# Altium PCB SW1106 100W 单C.PcbDoc (part 2 of 2)
Units mm, origin at the board's own origin, x right, y up, seen from the top; angles counter-clockwise.
Board outline 55.13 x 55.13 mm, 4 copper layers (Top Layer, Mid-Layer 1, Mid-Layer 2, Bottom Layer); 114 components, 71 nets, 330 pads, 226 vias.
Unrouted connection lines stored in the file: 11.
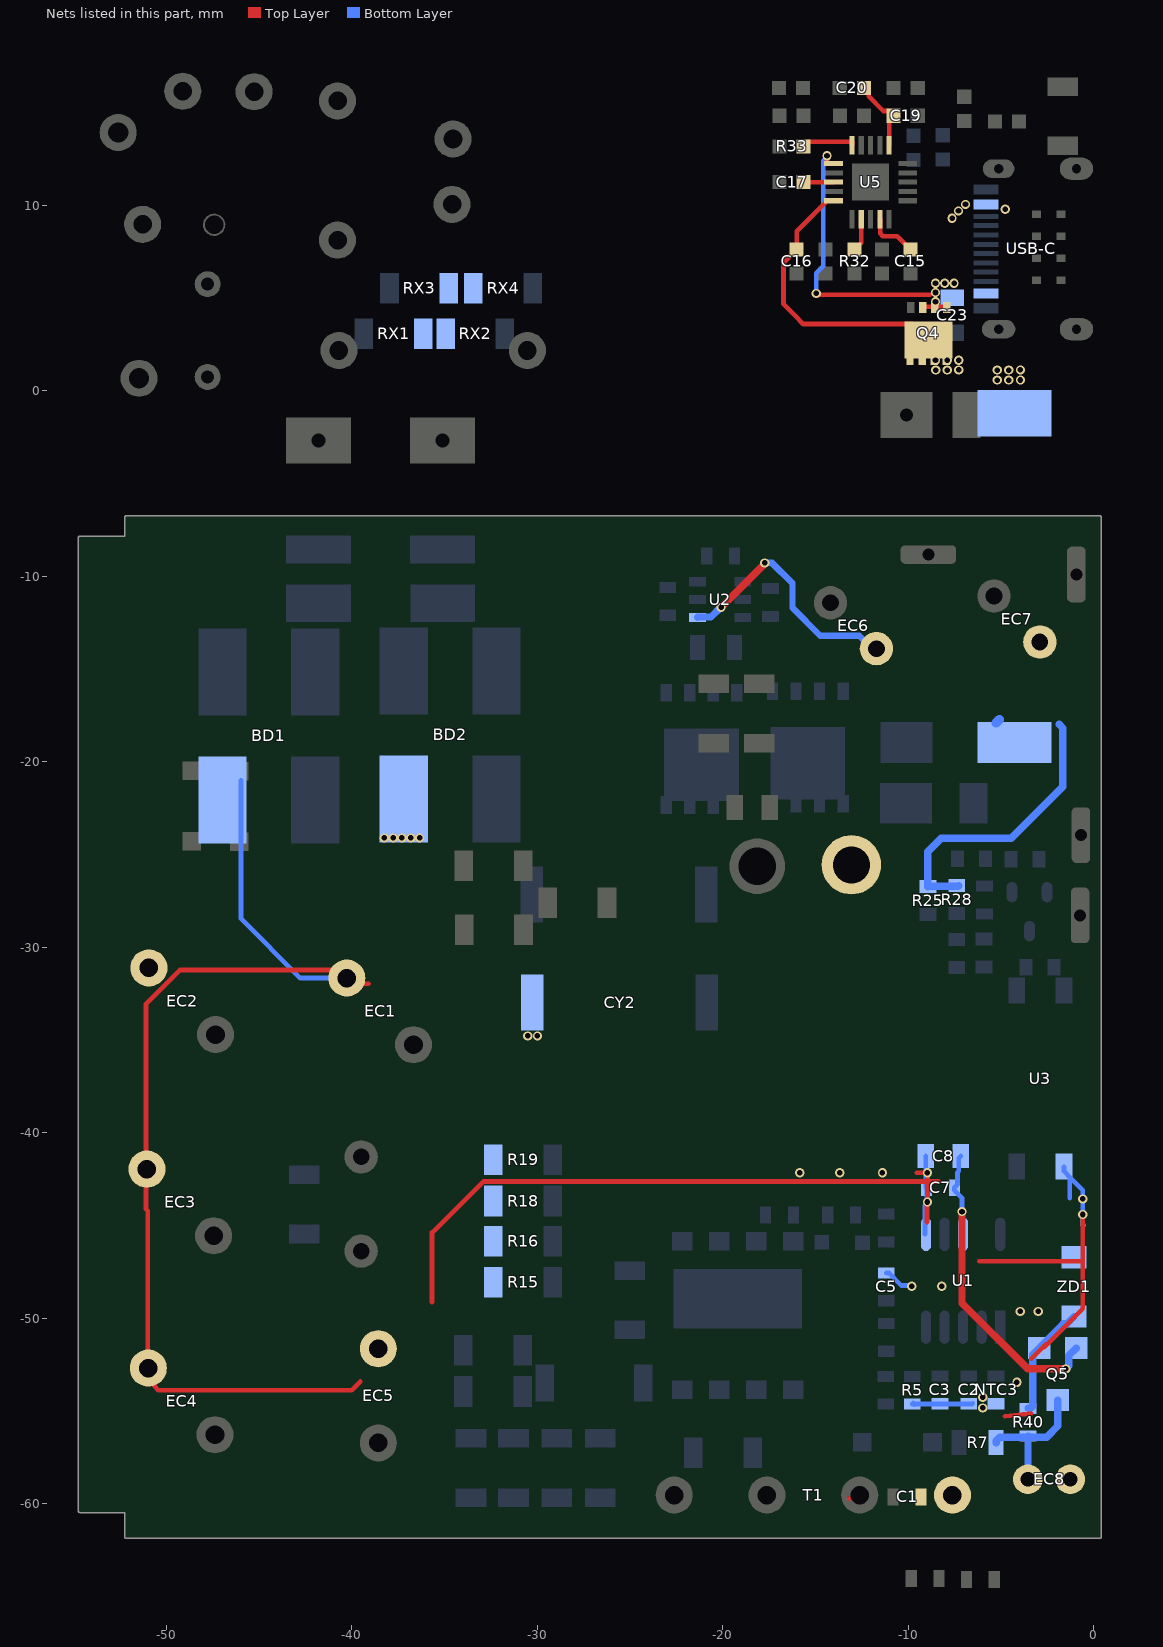
[diagram p2: the nets of this part, all layers, seen from the top]

## Via types
v1: diameter 0.5, hole 0.3, Top Layer to Bottom Layer, tented both sides, 226 vias

## Nets (pads, with @x,y where several pads share a name; then routed paths per layer and width w, separated by ;. In a path a pad name is that pad's centre, name@x,y a point inside that pad or via, vN(x,y) a via of type N, cw(c..) or ccw(c..) an arc to the next point about the centre after c; other vN are vias at no path point) (continued)
PGND: BD1.4 BD2.4 C1.1 C2.2 C3.2 C5.2 C7.1 C8.1 CY2.1 EC1.2 EC2.2 EC3.2 EC4.2 EC5.2 EC8.2 NTC3.2 R5.2 R15.1 R16.1 R18.1 R19.1 T1.5 U1.6GND U3.3 ZD1.1 | length 125.9
  Top Layer w0.254: EC1.2@-40.273,-31.958 -39.104,-31.958 ; EC1.2@-40.273,-31.654 -40.746,-31.654 -41.174,-31.225 -49.275,-31.225 -51.096,-33.046 -51.096,-41.954 -51.096,-44.091 -51.108,-44.104 -51.006,-44.206 -51.006,-52.679 -50.639,-53.046 -50.639,-53.663 -50.427,-53.875 -40.011,-53.875 -39.544,-53.408 ; -35.677,-49.125 -35.677,-45.375 -32.927,-42.625 -8.977,-42.625 ; -13.202,-59.725 -13.177,-59.7 ; -9.552,-42.15 v1(-8.977,-42.15) ; -9.002,-44.8 -9.002,-43.75 v1(-8.977,-43.725) -8.977,-42.625 ; v1@-9.002,-42.225 -8.977,-42.25 -8.977,-42.625 ; -8.377,-42.625 -8.977,-42.625 ; -6.177,-46.925 -0.602,-46.925 ; -4.8,-55.275 -3.377,-55.125 ; -3.377,-52.175 -2.715,-51.512 ; -2.677,-51.55 -0.602,-49.475 -0.602,-46.925 ; -2.602,-51.4 -2.577,-51.4 ; v1(-0.602,-44.4) -0.602,-46.925
  Bottom Layer w0.254: BD1.4@-45.977,-21.001 -45.977,-28.45 -42.773,-31.654 EC1.2@-40.273,-31.654 ; EC1.2@-39.841,-31.221 -39.83,-31.232 EC1.2@-39.83,-31.958 ; C5.2@-11.202,-47.55 -11.052,-47.55 -10.374,-48.228 -9.874,-48.228 v1(-9.827,-48.275) ; R5.2@-9.802,-54.625 R5.2@-9.79,-54.612 ; R5.2@-9.667,-54.637 R5.2@-9.691,-54.612 ; U1.6GND@-9.112,-45.45 -9.112,-43.927 -8.977,-43.792 v1(-8.977,-43.725) -9.002,-43.7 -9.002,-43.018 -9.07,-42.95 -9.07,-41.255 C8.1@-9.074,-41.25 ; C2.2@-6.527,-54.575 -6.565,-54.612 -6.752,-54.612 -8.302,-54.612 R5.2@-9.691,-54.612 ; U3.3@-1.612,-41.825 -1.612,-42.075 U3.3@-1.302,-42.385 ; -1.302,-43.519 U3.3@-1.302,-42.385 ; -0.552,-44.975 -0.602,-44.975 v1(-0.602,-44.4) v1(-0.602,-43.56) -0.602,-43.085 U3.3@-1.302,-42.385 ; R5.2@-9.79,-54.612 -9.74,-54.563 R5.2@-9.691,-54.612 ; R5.2@-9.79,-54.612 R5.2@-9.691,-54.612
  other v1: -6,-54.825 -6,-54.25 -4.15,-53.45 -3.975,-49.625 -3,-49.625 -8.202,-48.275 -15.852,-42.15 -13.702,-42.15 -11.402,-42.15 -30.525,-34.775 -30,-34.775 -38.252,-24.1 -37.777,-24.1 -37.302,-24.1 -36.827,-24.1 -36.352,-24.1
PRSET: R32.2 U5.2 | length 1.8
  Top Layer w0.254: R32.2@-12.9,7.623 -12.55,7.973 -12.55,9.24 U5.2@-12.54,9.25
PSET: R33.1 U5.15 | length 2.9
  Top Layer w0.254: R33.1@-15.65,13.175 -15.4,13.425 -13.053,13.425 -13.04,13.412 U5.15@-13.04,13.25
Q5-B: Q5.1 R40.1 ZD1.2 | length 6.2
  Bottom Layer w0.4: R40.1@-3.55,-54.85 -3.4,-54.85 -3.3,-54.75 -3.3,-51.95 -2.55,-51.2 -1.65,-50.3 -1.475,-50.3 ZD1.2@-1.075,-49.9
RX: RX1.1 RX2.2 RX3.1 RX4.2
VBUS: C23.2 Q4.1 Q4.2 Q4.3 U5.16 USB-C.B4/A9 USB-C.B9/A4 | length 16.6
  Top Layer w0.254: v1(-14.976,5.25) -14.929,5.203 -14.755,5.203 -14.727,5.175 -8.834,5.175 ; v1@-14.44,12.625 -14.39,12.575 -14.39,12.263 -14.377,12.25 U5.16@-14.04,12.25 ; Q4.3@-9.232,4.5 -9.207,4.525 Q4.1@-7.932,4.525 ; Q4.2@-8.582,4.525 Q4.1@-7.932,4.525 ; Q4.1@-7.932,4.5 Q4.1@-7.932,4.525
  Bottom Layer w0.254: v1(-14.976,5.25) -14.976,6.339 -14.59,6.725 -14.59,12.408 -14.39,12.608 v1(-14.39,12.675)
  other v1: -8.54,4.8 -8.54,5.3 -8.54,5.8 -8.04,5.8 -7.54,5.8 -7.65,9.3 -7.3,9.7 -4.777,9.79 -6.925,10.05
VDD: C15.2 U5.4 | length 2.8
  Top Layer w0.254: U5.4@-11.54,9.25 -11.527,9.237 -11.527,8.482 -11.378,8.333 -10.598,8.333 C15.2@-9.89,7.625
VDD1V5: C17.2 U5.18 | length 1.6
  Top Layer w0.254: C17.2@-15.615,11.25 U5.18@-14.04,11.25
VDDH: EC8.1 Q5.2 R7.1 R40.2 | length 7.5
  Bottom Layer w0.4: R7.1@-5.277,-56.7 -5.277,-56.6 -5.077,-56.4 R40.2@-3.556,-56.4 ; EC8.1@-3.561,-58.675 -3.556,-58.67 R40.2@-3.556,-56.4 ; R40.2@-3.55,-56.35 -3.556,-56.355 R40.2@-3.556,-56.4 ; Q5.2@-1.95,-54.4 -1.95,-55.8 -2.55,-56.4 R40.2@-3.556,-56.4
VDDL: C7.2 C8.2 Q5.3 U1.8VCC | length 17.9
  Top Layer w0.4: v1(-7.112,-44.242) -7.112,-49.185 -3.572,-52.725 v1(-1.525,-52.725)
  Bottom Layer w0.254: C8.2@-7.18,-41.25 -7.29,-41.36 -7.29,-42.075 -7.354,-42.139 -7.354,-42.777 C7.2@-7.527,-42.95 -7.527,-43.1 -7.112,-43.515 v1(-7.112,-44.242) U1.8VCC@-7.112,-45.45
  Bottom Layer w0.4: v1(-1.525,-52.725) -1.35,-52.55 -1.35,-52 Q5.3@-0.95,-51.6
VFB: C19.1 C20.1 U5.11 | length 3.8
  Top Layer w0.254: C20.1@-12.225,16.15 -12.146,16.071 -12.146,15.881 -11.344,15.079 -11.054,15.079 C19.1@-10.8,14.825 -10.883,14.743 -11.04,14.585 U5.11@-11.04,13.25
VIN: C16.2 pad.2@-4.29,-1.2 Q4.5 Q4.6 Q4.7 Q4.8 U5.20 | length 15.7
  Top Layer w0.254: C16.2@-16.141,7.507 -16.141,7.46 -16.188,7.46 -16.733,6.915 -16.733,4.668 -16.136,4.071 -15.665,3.6 -9.769,3.6 Q4.8@-8.919,2.75 ; C16.2@-16.025,7.623 -16.025,8.602 -14.413,10.213 -14.413,10.237 -14.4,10.25 U5.20@-14.04,10.25 ; Q4.5@-9.988,1.873 -9.915,1.8 Q4.5@-9.915,1.7 ; Q4.7@-8.615,1.7 -8.59,1.7 v1(-8.54,1.65)
  other v1: -5.207,0.58 -4.59,0.579 -3.965,0.584 -8.532,1.121 -7.915,1.12 -7.29,1.125 -5.207,1.121 -4.59,1.12 -3.965,1.125 -7.915,1.65 -7.29,1.65
VO: EC6.1 EC7.1 pad.2@-4.29,-18.959 pad.9 R25.2 R28.1 U2.1 | length 29.6
  Top Layer w0.4: v1(-20.1,-11.675) -17.769,-9.344 -17.769,-9.294 v1(-17.75,-9.275)
  Bottom Layer w0.35: v1(-17.75,-9.275) -17.35,-9.275 -16.25,-10.375 -16.25,-11.7 -14.75,-13.2 -12.657,-13.2 -11.957,-13.9 EC6.1@-11.727,-13.9
  Bottom Layer w0.4: U2.1@-21.37,-12.215 -21.347,-12.192 -20.644,-12.192 -20.127,-11.675 v1(-20.1,-11.675) ; R28.1@-7.275,-26.675 -7.3,-26.7 -8.925,-26.7 R25.2@-8.95,-26.725 -8.95,-24.85 -8.225,-24.125 -4.45,-24.125 -1.675,-21.35 -1.675,-18.175 -1.875,-17.975
  Bottom Layer w0.5: pad.2@-5.284,-17.907 -5.089,-17.712
pads on no net: "U1.2 NC" USB-C.0 USB-C.A8 USB-C.B8

## Polygon pours and split planes (outlines as drawn)
1-5 on Top Layer "NONET_L01_P-001" (solid, remove dead copper, pour order 183): -31.275,-25.6 -31.25,-25.625 -31.25,-29.681 -30.444,-29.681 -30.25,-29.875 -28.95,-28.575 -28.95,-26.775 -30.275,-25.45 -30.275,-24.775 -31.275,-24.775
NewNet1 on Top Layer "NEWNET1_L01_P180" (solid, remove dead copper, pour order 180): -39.7,17.725 -39.175,17.2 -39.175,15.175 -39.8,14.55 -45.486,14.55 -46.336,15.4 -46.336,17 -45.611,17.725
$$$22177 on Top Layer "NONET_L01_P-001" (solid, remove dead copper, pour order 179): 21 vertices, not listed, extent -36.86,-3.925 -28.65,15.7
$$$22158 on Top Layer "NONET_L01_P-001" (solid, remove dead copper, pour order 178): -48.75,5.425 -48.325,5 -42.3,5 -39.55,7.75 -39.55,9.05 -40.15,9.65 -43.175,9.65 -46.025,6.8 -48.35,6.8 -48.75,6.4
AGND on Top Layer "NONET_L01_P-001" (solid, remove dead copper, pour order 133): 47 vertices, not listed, extent -21.9,-33.825 0.375,-6.75
PGND on Top Layer "PGND_L01_P173" (solid, pour order 173): 20 vertices, not listed, extent -38.3,-60.9 -6.55,-53.5
PGND on Top Layer "PGND_L01_P171" (solid, pour order 171): 17 vertices, not listed, extent -8.8,-61.7 0.075,-55.25
PGND on Top Layer "PGND_L01_P074" (solid, remove dead copper, pour order 74): 35 vertices, not listed, extent -38.3,-58 0.973,-37.575
$$$22253 on Top Layer "NONET_L01_P-001" (solid, remove dead copper, pour order 166): -46.95,-0.025 -47.35,-0.425 -52.25,-0.425 -52.6,-0.075 -52.6,1.375 -52.175,1.8 -47.35,1.8 -46.95,1.4
NewNet2 on Top Layer "NONET_L01_P-001" (solid, remove dead copper, pour order 163): -52.55,8.3 -52.1,7.85 -47.691,7.85 -46.8,8.741 -46.8,9.975 -47.075,10.25 -52.2,10.25 -52.55,9.9
$$$22256 on Top Layer "NONET_L01_P-001" (solid, remove dead copper, pour order 162): -54.025,13.625 -53.275,12.875 -50.75,12.875 -47.875,15.75 -47.875,17.15 -48.775,18.05 -50.225,18.05 -51.525,16.75 -51.525,15.25 -51.731,15.044 -53.231,15.044 -54.025,14.25
$$$29827 on Top Layer "NONET_L01_P-001" (solid, remove dead copper, pour order 160): -39,1.25 -33.4,6.85 -33.4,10.625 -33.975,11.2 -36,11.2 -36.625,10.575 -36.625,8.5 -43.625,1.5 -43.625,-3.325 -40.15,-3.975 -39,-2.825
$$$2266 on Top Layer "NONET_L01_P-001" (solid, remove dead copper, pour order 157): -34.475,-25.387 -34.475,-26.375 -33.975,-26.198 -33.475,-26.425 -33.475,-21.725 -35.15,-20.05 -42.05,-20.05 -45.675,-23.675 -49,-23.675 -49.125,-23.8 -49.125,-24.8 -45.45,-24.8 -41.425,-20.775 -35.75,-20.775 -34.475,-22.05
PGND on Top Layer "NONET_L01_P-001" (solid, remove dead copper, pour order 135): 80 vertices, not listed, extent -54.8,-61.85 -35.975,-22.525
1-41 on Top Layer "NONET_L01_P-001" (solid, remove dead copper, pour order 155): -10.725,-60.075 -11.325,-60.075 -12.15,-60.9 -13.375,-60.9 -13.775,-60.5 -13.775,-58.8 -13.425,-58.45 -11.65,-58.45 -10.85,-59.25
PGND on Top Layer "NONET_L01_P-001" (solid, remove dead copper, pour order 154): -8.775,-59.15 -8.8,-59.175 -9.15,-59.175 -9.375,-59.4 -9.5,-60.075 -9.15,-60.075 -8.525,-60.7 -8.525,-58.975 -8.563,-58.938
AGND-1 on Top Layer "NONET_L01_P-001" (solid, remove dead copper, pour order 142): -18.1,-21.775 -18.275,-21.95 -18.275,-23.45 -19.675,-24.85 -19.675,-26.725 -19.15,-27.25 -17.225,-27.25 -16.575,-26.6 -16.575,-22.23 -17.03,-21.775
1-8 on Top Layer "NONET_L01_P-001" (solid, remove dead copper, pour order 141): -18.93,-22.45 -18.93,-20.061 -18.294,-19.425 -17.25,-19.425 -17.25,-18.425 -17.325,-18.5 -21.325,-18.5 -21.325,-19.5 -19.82,-21.005 -19.82,-22.162
VO on Top Layer "NONET_L01_P-001" (solid, remove dead copper, pour order 134): -15.125,-27.325 -16.025,-26.425 -16.025,-18.45 -14.15,-16.575 -14.15,-13.225 -13.35,-12.425 -11.35,-12.425 -10.725,-13.05 -10.725,-26.075 -11.975,-27.325
GND-C on Top Layer "NONET_L01_P-001" (solid, remove dead copper, pour order 128): -6.5,12.25 -6.1,12.65 -4.35,12.65 -3.7,12 -3.7,11.075 -4.125,10.65 -6.3,10.65 -6.5,10.85
VBUS on Top Layer "VBUS_L01_P120" (solid, remove dead copper, pour order 120): 17 vertices, not listed, extent -9.44,4.15 -4.5,10.35
GND-C on Top Layer "GND-C_L01_P078" (solid, remove dead copper, pour order 78): 23 vertices, not listed, extent -7.19,2.1 0.035,13.7
VIN on Top Layer "VIN_L01_P082" (solid, remove dead copper, pour order 82): -12.315,3.6 -8.665,3.6 -6.89,1.825 -2.915,1.825 -2.115,1.025 -2.115,-2.45 -5.14,-2.45 -5.825,-1.765 -5.825,0.075 -6.6,0.85 -9.565,0.85 -10.219,1.504
OPTO on Top Layer "OPTO_L01_P084" (solid, remove dead copper, pour order 84): -6.138,-0.013 -6.115,-0.035 -6.115,-0.346 -6.369,-0.6 -7.615,-0.604 -7.615,-0.1 -8.19,0.475 -8.19,0.625 -6.775,0.625
GND on Top Layer "GND_L01_P125" (solid, remove dead copper, pour order 125): -3.168,-2.479 -3.193,-2.504 -11.343,-2.504 -11.343,0.096 -18.443,0.096 -18.443,17.5 0.007,17.5 0.007,0.146 -0.093,0.046 -2.318,0.046 -2.318,-2.304 -2.293,-2.329
PGND on Top Layer "NONET_L01_P-001" (solid, remove dead copper, pour order 100): 17 vertices, not listed, extent -38.275,-51.85 -29.625,-34.475
CS on Top Layer "CS_L01_P073" (solid, remove dead copper, pour order 73): -11.675,-54.625 -10.802,-53.752 -10.802,-44.45 -11.977,-43.275 -30.727,-43.275 -32.877,-45.425 -32.877,-53.873 -32.125,-54.625
VDDL on Bottom Layer "NONET_L01_P-001" (solid, remove dead copper, pour order 182): -0.35,-51 -0.35,-52.675 -0.725,-53.05 -1.7,-53.05 -1.9,-52.85 -1.9,-52.196 -1.304,-51.6 -0.95,-51.6
VDDH on Bottom Layer "NONET_L01_P-001" (solid, remove dead copper, pour order 181): 17 vertices, not listed, extent -5.077,-59.475 -1.375,-54.21
$$$22177 on Bottom Layer "NONET_L01_P-001" (solid, remove dead copper, pour order 177): 23 vertices, not listed, extent -36.86,-3.925 -28.65,15.7
RX on Bottom Layer "NONET_L01_P-001" (solid, remove dead copper, pour order 176): -32.95,4.7 -34.45,3.2 -34.45,2.25 -34.7,2 -36.4,2 -36.65,2.25 -36.65,3.954 -35.275,5.329 -35.275,6.35 -32.95,6.35
$$$29827 on Bottom Layer "NONET_L01_P-001" (solid, remove dead copper, pour order 175): 17 vertices, not listed, extent -43.625,0.8 -33.2,11.2
$$$22158 on Bottom Layer "NONET_L01_P-001" (solid, remove dead copper, pour order 174): -48.75,5.425 -48.325,5 -42.3,5 -39.55,7.75 -39.55,9.05 -40.15,9.65 -43.175,9.65 -46.025,6.8 -48.35,6.8 -48.75,6.4
PGND on Bottom Layer "PGND_L04_P172" (solid, pour order 172): -0.65,-61.275 0.375,-60.25 0.375,-56.075 -0.125,-55.575 -0.925,-55.575 -1.225,-55.875 -2.125,-56.775 -2.125,-59.7 -2.425,-60 -4.65,-60 -6.275,-58.375 -8.675,-58.375 -9.1,-58.8 -9.1,-60.775 -8.6,-61.275
$$$22253 on Bottom Layer "NONET_L01_P-001" (solid, remove dead copper, pour order 167): -46.95,-0.025 -47.35,-0.425 -52.25,-0.425 -52.6,-0.075 -52.6,1.375 -52.175,1.8 -47.35,1.8 -46.95,1.4
NewNet2 on Bottom Layer "NONET_L01_P-001" (solid, remove dead copper, pour order 164): -46.425,9.75 -47.05,10.375 -52.025,10.375 -52.45,9.95 -52.45,8.3 -52.1,7.95 -46.8,7.95 -46.425,8.325
$$$22256 on Bottom Layer "NONET_L01_P-001" (solid, remove dead copper, pour order 161): -54.025,13.35 -53.55,12.875 -50.75,12.875 -47.875,15.75 -47.875,17.15 -48.775,18.05 -50.225,18.05 -51.525,16.75 -51.525,15.25 -51.731,15.044 -53.506,15.044 -54.025,14.525
$$$29827 on Bottom Layer "NONET_L01_P-001" (solid, remove dead copper, pour order 158): -43.625,-3.325 -43.625,0.8 -42.5,1.925 -39.375,1.925 -39,1.55 -39,-2.825 -40.15,-3.975
AGND on Bottom Layer "NONET_L01_P-001" (solid, remove dead copper, pour order 151): -1.775,-24.875 -2.375,-24.275 -2.375,-22.725 -0.95,-21.3 -0.95,-20.525 0.05,-21.525 0.05,-30.325 -0.2,-30.575 -1.225,-30.575 -1.775,-30.025
AGND-1 on Bottom Layer "NONET_L01_P-001" (solid, remove dead copper, pour order 150): -21.35,-14.5 -22.125,-14.5 -22.325,-14.3 -22.325,-13.4 -22.075,-13.15 -21.25,-13.15
$$$25 on Bottom Layer "NONET_L01_P-001" (solid, remove dead copper, pour order 149): 18 vertices, not listed, extent -5.825,-32.45 -1.175,-24.775
COM on Bottom Layer "NONET_L01_P-001" (solid, remove dead copper, pour order 148): 24 vertices, not listed, extent -7.85,-29.925 -4.025,-25.2
$$$16138 on Bottom Layer "NONET_L01_P-001" (solid, remove dead copper, pour order 147): -3.325,-32.675 -3.675,-33.025 -4.7,-33.025 -5.5,-32.225 -4,-30.725 -4,-30.35 -3.375,-30.35 -3.325,-30.4
AGND on Bottom Layer "NONET_L01_P-001" (solid, remove dead copper, pour order 146): -3.2,-29.55 -3.475,-29.825 -3.9,-29.825 -5.475,-31.4 -7.925,-31.4 -8.15,-31.175 -8.15,-30.4 -8.075,-30.325 -5.475,-30.325 -3.725,-28.575 -3.35,-28.575 -3.2,-28.725
$$$25 on Bottom Layer "NONET_L01_P-001" (solid, remove dead copper, pour order 143): -6,-23.334 -5.234,-23.334 -4.95,-23.05 -4.95,-21.397 -5.213,-21.134 -6,-21.134
AGND on Bottom Layer "NONET_L01_P-001" (solid, remove dead copper, pour order 139): 25 vertices, not listed, extent -21.502,-34.475 -5.25,-21.1
VO on Bottom Layer "NONET_L01_P-001" (solid, remove dead copper, pour order 138): -14.425,-23.75 -14.925,-24.25 -14.925,-26.475 -14.075,-27.325 -11.975,-27.325 -11.35,-26.7 -11.35,-24.475 -12.075,-23.75
AGND on Bottom Layer "NONET_L01_P-001" (solid, remove dead copper, pour order 137): -7.659,-20.059 -7.325,-19.725 -7.325,-17.825 -7.525,-17.625 -11.281,-17.625 -11.515,-17.859 -11.515,-20.059
AGND on Bottom Layer "NONET_L01_P-001" (solid, remove dead copper, pour order 136): 29 vertices, not listed, extent -23.475,-23.1 0.425,-6.7
VO on Bottom Layer "NONET_L01_P-001" (solid, remove dead copper, pour order 132): -12.775,-13.18 -12.775,-15.15 -11.25,-16.675 -6.125,-16.675 -3.475,-14.025 -3.075,-14.025 -3.075,-14.248 -6.29,-17.463 -6.29,-20.059 -2.259,-20.059 -1.5,-19.3 -1.5,-12.975 -2.125,-12.35 -11.945,-12.35
AGND on Bottom Layer "NONET_L01_P-001" (solid, remove dead copper, pour order 131): -14.825,-17.075 -14.487,-16.737 -14.487,-14.994 -14.932,-14.55 -17.175,-14.55 -17.625,-15 -17.625,-16.875 -17.4,-17.075
AGND on Bottom Layer "NONET_L01_P-001" (solid, remove dead copper, pour order 130): -20.05,-16.585 -20.05,-15.3 -20.375,-14.975 -23.125,-14.975 -23.375,-15.225 -23.375,-16.734 -23.009,-17.1 -20.565,-17.1
AGND-1 on Bottom Layer "NONET_L01_P-001" (solid, remove dead copper, pour order 129): 18 vertices, not listed, extent -23.379,-27.25 -13.217,-18.125
GND-C on Bottom Layer "NONET_L01_P-001" (solid, remove dead copper, pour order 126): 19 vertices, not listed, extent -8.85,2.5 0.025,12.875
GND-C on Bottom Layer "NONET_L01_P-001" (solid, remove dead copper, pour order 124): -4,12.675 -3.4,12.075 -3.4,9.55 -3.675,9.275 -4.1,9.275 -4.375,9.55 -4.375,10.675 -4.7,11 -4.8,11 -5.225,10.575 -5.35,10.575 -6.488,11.125 -6.488,12.287 -6.1,12.675
VBUS on Bottom Layer "NONET_L01_P-001" (solid, remove dead copper, pour order 123): -8.875,5.3 -8.875,9.175 -7.725,10.325 -4.975,10.325 -4.875,10.225 -4.875,9.9 -5,9.775 -6.65,9.775 -7.225,9.2 -7.225,6.1 -6.4,5.275
VBUS on Bottom Layer "VBUS_L04_P076" (solid, remove dead copper, pour order 76): -6.65,5.525 -5.506,5.525 -5.506,4.996 -5.484,4.975 -6.625,4.975 -7.1,4.5 -8.765,4.5 -8.865,4.6 -8.865,5.975 -8.665,6.175 -7.3,6.175
VIN on Bottom Layer "VIN_L04_P083" (solid, remove dead copper, pour order 83): -8.94,1.85 -8.94,1.125 -7.515,-0.3 -7.515,-2.05 -7.04,-2.525 -6.965,-2.45 -2.29,-2.45 -2.29,1.4 -3.04,2.15 -8.64,2.15
GND on Bottom Layer "GND_L04_P127" (solid, remove dead copper, pour order 127): -3.168,-2.479 -3.193,-2.504 -11.343,-2.504 -11.343,0.096 -18.443,0.096 -18.443,17.271 0.007,17.271 0.007,0.146 -0.093,0.046 -2.318,0.046 -2.318,-2.304 -2.293,-2.329
PGND on Bottom Layer "PGND_L04_P039" (solid, remove dead copper, pour order 39): 25 vertices, not listed, extent -5.225,-55.5 0.373,-41
1-41 on Bottom Layer "NONET_L01_P-001" (solid, remove dead copper, pour order 122): -13.677,-56.35 -11.652,-54.325 -11.177,-54.325 -10.777,-54.725 -10.777,-54.925 -12.002,-56.15 -12.002,-58.175 -11.502,-58.675 -11.502,-60.425 -11.852,-60.775 -13.277,-60.775 -13.677,-60.375
NetD2_1 on Bottom Layer "NONET_L01_P-001" (solid, remove dead copper, pour order 121): -8.477,-57.15 -7.427,-57.15 -7.277,-57 -7.377,-56.9 -7.377,-56.175 -8.402,-56.175
380V on Bottom Layer "380V_L04_P020" (solid, remove dead copper, pour order 20): 45 vertices, not listed, extent -48.852,-61.925 -21.104,-43.925
PGND on Bottom Layer "PGND_L04_P019" (solid, remove dead copper, pour order 19): 45 vertices, not listed, extent -54.677,-61.8 -39.202,-19.7
$$$23422 on Bottom Layer "NONET_L01_P-001" (solid, remove dead copper, pour order 119): 43 vertices, not listed, extent -48.752,-43.05 -29.725,-19.65
$$$2377 on Bottom Layer "$$$2377_L04_P017" (solid, remove dead copper, pour order 17): -40.052,-7.2 -40.802,-6.45 -47.577,-6.45 -48.927,-7.8 -48.927,-16.85 -48.277,-17.5 -40.677,-17.5 -40.052,-16.875 -40.052,-10.45 -43.675,-10.45 -43.675,-9.3 -40.052,-9.3
$$$2374 on Bottom Layer "$$$2374_L04_P018" (solid, remove dead copper, pour order 18): -37.877,-9.3 -38.552,-8.625 -38.552,-7.15 -37.802,-6.4 -32.402,-6.4 -30.902,-7.9 -30.902,-17.45 -38.502,-17.45 -38.552,-17.4 -38.552,-11.2 -37.802,-10.45 -33.552,-10.45 -33.377,-10.275 -33.377,-9.3
PGND on Bottom Layer "NONET_L01_P-001" (solid, remove dead copper, pour order 106): -29.975,-35.475 -29.7,-35.2 -29.7,-33.475 -29.966,-33.199 -30.075,-32.475 -30.825,-33.225 -30.825,-35.25 -30.6,-35.475
CS on Bottom Layer "NONET_L01_P-001" (solid, remove dead copper, pour order 105): -12.352,-52 -12.202,-52.15 -10.802,-52.15 -10.752,-52.1 -10.752,-51.475 -10.802,-51.425 -12.152,-51.425 -12.352,-51.625
NetC22_1 on Bottom Layer "NONET_L01_P-001" (solid, remove dead copper, pour order 104): -11.652,-49.3 -11.652,-50.55 -11.627,-50.575 -9.977,-50.575 -9.277,-51.275 -9.177,-51.175 -9.177,-49.65 -9.502,-49.975 -10.402,-49.975 -10.752,-49.625 -10.752,-49 -10.827,-48.925
PGND on Bottom Layer "NONET_L01_P-001" (solid, remove dead copper, pour order 99): 22 vertices, not listed, extent -11.652,-49.35 -3.202,-43.075
NetC27_1 on Bottom Layer "NONET_L01_P-001" (solid, remove dead copper, pour order 98): -11.677,-52.7 -11.577,-52.6 -8.777,-52.6 -8.327,-52.15 -8.327,-50.475 -8.002,-50.15 -7.902,-50.25 -7.802,-50.25 -7.802,-53.35 -7.877,-53.425 -11.677,-53.425
PGND on Bottom Layer "NONET_L01_P-001" (solid, remove dead copper, pour order 97): -4.65,-53.875 -4.55,-53.975 -4.625,-54.05 -4.625,-55.275 -4.85,-55.5 -9.677,-55.5 -10.252,-54.925 -10.252,-54.075 -10.052,-53.875
NetC12_2 on Bottom Layer "NONET_L01_P-001" (solid, remove dead copper, pour order 89): 19 vertices, not listed, extent -25.827,-61.525 -15.452,-50.175
PGND on Bottom Layer "NONET_L01_P-001" (solid, remove dead copper, pour order 88): 19 vertices, not listed, extent -40.691,-54.2 -31.627,-40.625
CS on Bottom Layer "NONET_L01_P-001" (solid, remove dead copper, pour order 85): 19 vertices, not listed, extent -29.675,-51.6 -13.102,-40.625
PGND on Bottom Layer "PGND_L04_P041" (solid, remove dead copper, pour order 41): -9.777,-44.225 -10.477,-43.525 -15.902,-43.525 -16.377,-43.05 -16.377,-41.65 -15.327,-40.6 -8.627,-40.6 -8.402,-40.825 -8.402,-43.75 -8.777,-44.125 -8.777,-46.2 -8.952,-46.375 -9.552,-46.375 -9.777,-46.15
NetR29_1 on Bottom Layer "NETR29_1_L04_P038" (solid, remove dead copper, pour order 38): -5.352,-43.55 -5.177,-43.375 -4.877,-43.375 -4.752,-43.5 -4.752,-46.25 -4.877,-46.375 -5.202,-46.375 -5.352,-46.225
VDDL on Bottom Layer "VDDL_L04_P033" (solid, remove dead copper, pour order 33): -7.827,-40.8 -7.577,-40.55 -6.777,-40.55 -6.727,-40.6 -6.727,-46.2 -6.927,-46.4 -7.252,-46.4 -7.377,-46.275 -7.377,-43.925 -7.827,-43.475
NetD1_K on Bottom Layer "NETD1_K_L04_P024" (solid, remove dead copper, pour order 24): -31.49,-51.012 -31.214,-50.737 -29.015,-50.737 -28.54,-51.212 -28.54,-54.587 -28.79,-54.837 -31.264,-54.837 -31.49,-54.612
NetC2_2 on Bottom Layer "NETC2_2_L04_P023" (solid, remove dead copper, pour order 23): -26.138,-55.614 -25.777,-55.975 -25.777,-56.976 -26.241,-57.414 -26.477,-57.414 -33.916,-57.414 -34.491,-56.839 -34.491,-50.889 -34.316,-50.714 -32.938,-50.714 -32.938,-54.664 -31.988,-55.614
NewNet1 on Bottom Layer "NEWNET1_L04_P003" (solid, remove dead copper, pour order 3): -39.7,17.725 -39.175,17.2 -39.175,15.175 -39.8,14.55 -45.486,14.55 -46.336,15.4 -46.336,17 -45.611,17.725
no net on Bottom Overlay "Bottom Layer-No Net" (solid): 68 vertices, not listed, extent -23.925,-40.181 -22.887,-39.628
no net on Bottom Overlay "Bottom Layer-No Net" (solid): 132 vertices, not listed, extent -26.242,-38.73 -24.961,-36.006
no net on Bottom Overlay "Bottom Layer-No Net" (solid): -16.61,-35.909 -8.096,-35.909 cw(c-8.096,-36.464) -7.541,-36.464 -6.833,-39.763 -6.833,-39.905 cw(c-7.105,-39.905) -7.105,-40.177 -7.138,-40.177 -16.61,-40.177 -16.61,-39.382 -7.606,-39.382 -8.194,-36.638 -16.61,-36.638
no net on Bottom Overlay "Bottom Layer-No Net" (solid): 32 vertices, not listed, extent -12.614,-38.925 -9.435,-37.139
no net on Bottom Overlay "Bottom Layer-No Net" (solid): 25 vertices, not listed, extent -24.936,-40.168 -24.078,-39.628
no net on Bottom Overlay "Bottom Layer-No Net" (solid): 34 vertices, not listed, extent -21.301,-38.014 -17.956,-37.336
no net on Bottom Overlay "Bottom Layer-No Net" (solid): 65 vertices, not listed, extent -26.023,-40.166 -25.196,-39.639
no net on Bottom Overlay "Bottom Layer-No Net" (solid): 22 vertices, not listed, extent -22.652,-40.166 -22.023,-39.638
no net on Bottom Overlay "Bottom Layer-No Net" (solid): -23.322,-36.525 -23.321,-36.56 -22.912,-36.562 -22.91,-36.368 -23.238,-36.369 -23.275,-36.488 -23.322,-36.525
no net on Bottom Overlay "Bottom Layer-No Net" (solid): -9.392,-37.651 -8.695,-37.651 -8.379,-39.186 -9.065,-39.186
no net on Bottom Overlay "Bottom Layer-No Net" (solid): -17.33,-39.638 -17.236,-40.167 -17.321,-40.167 -17.415,-39.638
no net on Bottom Overlay "Bottom Layer-No Net" (solid): -8.869,-36.856 -8.744,-37.46 -9.441,-37.46 -9.566,-36.856
no net on Bottom Overlay "Bottom Layer-No Net" (solid): 29 vertices, not listed, extent -26.878,-40.167 -26.209,-39.635
no net on Bottom Overlay "Bottom Layer-No Net" (solid): 69 vertices, not listed, extent -19.56,-40.181 -18.526,-39.628
no net on Bottom Overlay "Bottom Layer-No Net" (solid): 68 vertices, not listed, extent -24.215,-38.727 -23.498,-37.496
no net on Bottom Overlay "Bottom Layer-No Net" (solid): 91 vertices, not listed, extent -19.703,-37.054 -17.961,-36.007
no net on Bottom Overlay "Bottom Layer-No Net" (solid): 34 vertices, not listed, extent -20.658,-40.166 -19.804,-39.628
no net on Bottom Overlay "Bottom Layer-No Net" (solid): -22.914,-36.008 -24.783,-36.008 -24.783,-36.141 -22.914,-36.141
no net on Bottom Overlay "Bottom Layer-No Net" (solid): 82 vertices, not listed, extent -18.348,-40.168 -17.62,-39.638
no net on Bottom Overlay "Bottom Layer-No Net" (solid): 62 vertices, not listed, extent -21.746,-40.166 -20.915,-39.638
no net on Bottom Overlay "Bottom Layer-No Net" (solid): -19.924,-36.005 -19.924,-36.132 -20.38,-36.13 -20.384,-36.129 -20.389,-36.125 -20.396,-36.12 -20.402,-36.117 -20.405,-36.114 -20.43,-36.114 -20.424,-36.006
no net on Bottom Overlay "Bottom Layer-No Net" (solid): 54 vertices, not listed, extent -24.787,-36.904 -22.909,-36.366
no net on Bottom Overlay "Bottom Layer-No Net" (solid): 22 vertices, not listed, extent -16.534,-38.957 -12.745,-37.117
no net on Bottom Overlay "Bottom Layer-No Net" (solid): 46 vertices, not listed, extent -21.299,-38.733 -17.96,-38.007
no net on Bottom Overlay "Bottom Layer-No Net" (solid): 40 vertices, not listed, extent -21.304,-37.051 -19.923,-36.004
no net on Bottom Overlay "Bottom Layer-No Net" (solid): 31 vertices, not listed, extent -24.8,-38.731 -22.917,-37.125

## Keep-outs
Keep-Out Layer:
  lines w0.127: -53.925,15.225 -51.541,15.225 -51.541,18.025 -29.721,18.025 -28.727,18.025 -28.727,-1.475 -33.285,-1.475 -33.285,-3.975 -43.625,-3.975 -43.625,-1.475 -52.361,-1.475 -53.925,-1.475 -53.925,15.235 ; -1.927,-5.466 -1.927,-2.745 ; 0,13.825 0,17.5 -18.44,17.5 -18.44,0 -11.465,0 -11.465,-2.5 -2.265,-2.5 -2.265,0 0,0 0,15.346 ; -52.177,-7.9 -52.177,-6.8 ; -52.177,-7.9 -54.677,-7.9 -54.677,-60.4 -52.177,-60.4 -52.177,-61.8 0.323,-61.8 0.323,-6.8 -52.177,-6.8 ; -52.177,-7.9 -52.177,-6.8

## Other copper
Top Layer:
  rectangle net 1-5: -30.725,-28.075 -29.425,-27.125
  pour cut-out: -5.865,15.9 -6.465,16.5 -7.565,16.5 -8.29,15.775 -8.29,14.012 -9.602,12.7 -10.74,12.7 -10.74,12.09 -10.54,11.89 -9.475,11.89 -7.486,13.879 -7.486,14.816 -7.371,14.931 -0.859,14.931 -0.29,15.5 -0.29,15.9
  pour cut-out: -15.446,7.044 -9.259,7.044 -9.115,6.9 -9.115,7.125 -9.39,7.125 -9.509,7.244 -15.646,7.244
  pour cut-out: -16.369,14.244 -13.674,14.244 -13.38,13.95 -13.305,14.025 -13.14,14.025 -13.14,13.79 -13.18,13.75 -12.9,13.75 -12.9,14.173 -13.171,14.444 -16.569,14.444
  pour cut-out: -28.077,-45.7 -28.077,-44.9 -27.927,-44.75 -27.277,-44.75 -27.127,-44.9 -27.127,-45.525 -26.327,-46.325 -14.827,-46.325 -13.977,-47.175 -13.977,-50.95 -13.477,-51.45 -11.902,-51.45 -11.677,-51.675 -11.677,-52 -11.902,-52.225 -13.877,-52.225 -14.827,-51.275 -14.827,-47.55 -15.202,-47.175 -26.602,-47.175

## Silkscreen, mask and mechanical layers (free items; w line width, h text height)
Top Overlay:
  lines w0.127: -51.593,-10.396 -51.593,-9.396 -27.162,-9.396 -27.162,-10.396 -51.593,-10.396 ; -18.44,-21.1 0,-21.1 0,-20.1 -18.44,-20.1 -18.44,-21.1
  text "100W-B 20230808" at -53.52,12.32 h0.8 r270
  text "T5A/250V" at -50.9,7.425 h0.8 r270
  text "GND" at -11.36,0.18 h0.8
  text "OPTO" at -8.31,0.155 h0.8
  text "A" at -11,-26.75 h1.2
  text "B" at -16.15,-26.775 h1.2
Bottom Overlay:
  text "100W-B 20230420" at -16.295,14.02 h0.8 r90
  text "VIN" at -1.005,0.555 h0.8
  text "GND" at -9.155,0.48 h0.8
  text "SW1106 Demo Board" at -27.73,-9.78 h0.8 r90
  text "100W-A 20230605" at -26.53,-9.83 h0.8 r90
Bottom Solder:
  region: -47.153,-48.024 -47.153,-46.999 -48.278,-46.999 -48.278,-48.024
  region: -42.893,-54.529 -42.893,-53.504 -44.018,-53.504 -44.018,-54.529
  region: -31.442,-11.784 -31.442,-10.759 -32.567,-10.759 -32.567,-11.784
  region: -31.392,-9.659 -31.392,-8.634 -32.517,-8.634 -32.517,-9.659
  region: -47.017,-11.734 -47.017,-10.709 -48.142,-10.709 -48.142,-11.734
  region: -44.892,-11.759 -44.892,-10.734 -46.017,-10.734 -46.017,-11.759
  region: -46.967,-9.609 -46.967,-8.584 -48.092,-8.584 -48.092,-9.609
  region: -44.842,-9.634 -44.842,-8.609 -45.967,-8.609 -45.967,-9.634
  region: -3.425,-16.95 -3.425,-15.925 -4.55,-15.925 -4.55,-16.95
  region: -1.55,-16.975 -1.55,-15.95 -2.675,-15.95 -2.675,-16.975
  region: -13.967,-10.234 -13.967,-9.209 -15.092,-9.209 -15.092,-10.234
  region: -11.842,-10.259 -11.842,-9.234 -12.967,-9.234 -12.967,-10.259
  region: -13.917,-8.109 -13.917,-7.084 -15.042,-7.084 -15.042,-8.109
  region: -11.792,-8.134 -11.792,-7.109 -12.917,-7.109 -12.917,-8.134
  region: -8.217,-16.009 -8.217,-14.984 -9.342,-14.984 -9.342,-16.009
  region: -6.092,-16.034 -6.092,-15.009 -7.217,-15.009 -7.217,-16.034
  region: -8.167,-13.884 -8.167,-12.859 -9.292,-12.859 -9.292,-13.884
  region: -6.042,-13.909 -6.042,-12.884 -7.167,-12.884 -7.167,-13.909
  region: -48.017,-30.984 -48.017,-29.959 -49.142,-29.959 -49.142,-30.984
  region: -45.892,-31.009 -45.892,-29.984 -47.017,-29.984 -47.017,-31.009
  region: -47.992,-28.959 -47.992,-27.934 -49.117,-27.934 -49.117,-28.959
  region: -45.867,-28.984 -45.867,-27.959 -46.992,-27.959 -46.992,-28.984
  region: -47.942,-26.834 -47.942,-25.809 -49.067,-25.809 -49.067,-26.834
  region: -45.817,-26.859 -45.817,-25.834 -46.942,-25.834 -46.942,-26.859
  region: -52.017,-28.909 -52.017,-27.884 -53.142,-27.884 -53.142,-28.909
  region: -49.892,-28.934 -49.892,-27.909 -51.017,-27.909 -51.017,-28.934
  region: -51.967,-26.784 -51.967,-25.759 -53.092,-25.759 -53.092,-26.784
  region: -49.842,-26.809 -49.842,-25.784 -50.967,-25.784 -50.967,-26.809
  region: -40.692,-40.259 -40.692,-39.234 -41.817,-39.234 -41.817,-40.259
  region: -42.817,-40.234 -42.817,-39.209 -43.942,-39.209 -43.942,-40.234
  region: -37.242,-27.009 -37.242,-25.984 -38.367,-25.984 -38.367,-27.009
  region: -39.367,-26.984 -39.367,-25.959 -40.492,-25.959 -40.492,-26.984
  region: -37.292,-29.134 -37.292,-28.109 -38.417,-28.109 -38.417,-29.134
  region: -39.417,-29.109 -39.417,-28.084 -40.542,-28.084 -40.542,-29.109
  region: -49.817,-21.934 -49.817,-20.909 -50.942,-20.909 -50.942,-21.934
  region: -51.942,-21.909 -51.942,-20.884 -53.067,-20.884 -53.067,-21.909
  region: -49.867,-24.059 -49.867,-23.034 -50.992,-23.034 -50.992,-24.059
  region: -51.992,-24.034 -51.992,-23.009 -53.117,-23.009 -53.117,-24.034
  region: -50.667,-56.484 -50.667,-55.459 -51.792,-55.459 -51.792,-56.484
  region: -52.792,-56.459 -52.792,-55.434 -53.917,-55.434 -53.917,-56.459
  region: -50.717,-58.609 -50.717,-57.584 -51.842,-57.584 -51.842,-58.609
  region: -52.842,-58.584 -52.842,-57.559 -53.967,-57.559 -53.967,-58.584
  region: -50.692,-48.909 -50.692,-47.884 -51.817,-47.884 -51.817,-48.909
  region: -52.817,-48.884 -52.817,-47.859 -53.942,-47.859 -53.942,-48.884
  region: -50.742,-51.034 -50.742,-50.009 -51.867,-50.009 -51.867,-51.034
  region: -52.867,-51.009 -52.867,-49.984 -53.992,-49.984 -53.992,-51.009
  region: -50.667,-44.884 -50.667,-43.859 -51.792,-43.859 -51.792,-44.884
  region: -52.792,-44.859 -52.792,-43.834 -53.917,-43.834 -53.917,-44.859
  region: -50.717,-47.009 -50.717,-45.984 -51.842,-45.984 -51.842,-47.009
  region: -52.842,-46.984 -52.842,-45.959 -53.967,-45.959 -53.967,-46.984
  region: -50.617,-38.009 -50.617,-36.984 -51.742,-36.984 -51.742,-38.009
  region: -52.742,-37.984 -52.742,-36.959 -53.867,-36.959 -53.867,-37.984
  region: -50.667,-40.134 -50.667,-39.109 -51.792,-39.109 -51.792,-40.134
  region: -52.792,-40.109 -52.792,-39.084 -53.917,-39.084 -53.917,-40.109
  region: -50.617,-33.934 -50.617,-32.909 -51.742,-32.909 -51.742,-33.934
  region: -52.742,-33.909 -52.742,-32.884 -53.867,-32.884 -53.867,-33.909
  region: -50.667,-36.059 -50.667,-35.034 -51.792,-35.034 -51.792,-36.059
  region: -52.792,-36.034 -52.792,-35.009 -53.917,-35.009 -53.917,-36.034
  region: -45.05,-55.775 -46.075,-55.775 -46.075,-56.9 -45.05,-56.9
  region: -47.325,-57.95 -48.35,-57.95 -48.35,-59.075 -47.325,-59.075
  region: -45.027,-57.925 -46.052,-57.925 -46.052,-59.05 -45.027,-59.05
  region: -45.018,-60.04 -46.043,-60.04 -46.043,-61.165 -45.018,-61.165
  region: -42.877,-57.95 -43.902,-57.95 -43.902,-59.075 -42.877,-59.075
  region: -42.868,-60.065 -43.893,-60.065 -43.893,-61.19 -42.868,-61.19
  region: -42.877,-55.75 -43.902,-55.75 -43.902,-56.875 -42.877,-56.875
  region: -40.727,-57.925 -41.752,-57.925 -41.752,-59.05 -40.727,-59.05
  region: -40.718,-60.04 -41.743,-60.04 -41.743,-61.165 -40.718,-61.165
  region: -40.727,-55.725 -41.752,-55.725 -41.752,-56.85 -40.727,-56.85
  region: -45.052,-54.5 -45.052,-53.475 -46.177,-53.475 -46.177,-54.5
  region: -47.167,-54.509 -47.167,-53.484 -48.292,-53.484 -48.292,-54.509
  region: -45.052,-52.325 -45.052,-51.3 -46.177,-51.3 -46.177,-52.325
  region: -47.167,-52.334 -47.167,-51.309 -48.292,-51.309 -48.292,-52.334
  region: -42.852,-52.325 -42.852,-51.3 -43.977,-51.3 -43.977,-52.325
  region: -42.852,-50 -42.852,-48.975 -43.977,-48.975 -43.977,-50
  region: -47.167,-50.009 -47.167,-48.984 -48.292,-48.984 -48.292,-50.009
  region: -45.052,-50 -45.052,-48.975 -46.177,-48.975 -46.177,-50
  region: -44.525,-45.975 -44.525,-44.95 -45.65,-44.95 -45.65,-45.975
  region: -42.025,-47.775 -42.025,-46.75 -43.15,-46.75 -43.15,-47.775
  region: -47.392,-42.334 -47.392,-41.309 -48.517,-41.309 -48.517,-42.334
  region: -45.267,-42.359 -45.267,-41.334 -46.392,-41.334 -46.392,-42.359
  region: -47.342,-40.209 -47.342,-39.184 -48.467,-39.184 -48.467,-40.209
  region: -45.217,-40.234 -45.217,-39.209 -46.342,-39.209 -46.342,-40.234
  rectangle: -45.493,-35.777 -44.468,-34.652
  rectangle: -48.425,-38.075 -47.4,-36.95
  rectangle: -43.35,-37.881 -42.325,-36.756
  rectangle: -41.375,-37.856 -40.35,-36.731
  rectangle: -39.425,-37.831 -38.4,-36.706
  rectangle: -43.325,-35.756 -42.3,-34.631
  rectangle: -41.35,-35.731 -40.325,-34.606
  rectangle: -39.4,-35.706 -38.375,-34.581
  rectangle: -36.325,-33.481 -35.3,-32.356
  rectangle: -34.35,-33.456 -33.325,-32.331
  rectangle: -42.175,-29.106 -41.15,-27.981
  rectangle: -36.35,-31.331 -35.325,-30.206
  rectangle: -34.375,-31.306 -33.35,-30.181
  rectangle: -42.2,-26.956 -41.175,-25.831
  rectangle: -36.375,-29.156 -35.35,-28.031
  rectangle: -34.4,-29.131 -33.375,-28.006
  rectangle: -32.45,-29.106 -31.425,-27.981
  rectangle: -32.425,-27.106 -31.4,-25.981
  rectangle: -34.375,-27.131 -33.35,-26.006
  rectangle: -36.35,-27.156 -35.325,-26.031
Mechanical 2:
  lines w0.127: -43.7,-9.891 -43.625,-9.891 ; -43.625,-9.396 -43.625,-3.975 ; -41.556,-9.466 -41.556,-8.466 -28.827,-8.466 -28.827,-9.466 -41.556,-9.466 ; -11.127,-29.316 -11.127,-28.316 -1.927,-28.316 -1.927,-29.316 -11.127,-29.316
Mechanical 15:
  lines w0.127: -54.95,-7.8 0.259,-7.8 ; -54.886,-60.8 0.323,-60.8 ; -49.877,-10.42 -49.877,-18.429 -45.677,-18.429 -45.677,-10.42 ; -47.318,-10.389 -43.118,-10.389 ; -45.112,-10.497 -45.112,-26.425 -29.117,-26.425 -29.117,-10.427 ; -42.559,-10.396 -26.559,-10.396 ; -41.81,-13.3 -41.81,-2.675 ; -21.695,-7.8 -21.695,-6.8 ; -19.163,-7.8 -19.163,-6.8 ; -19.1,-61.8 -19.1,-60.8 ; -5.727,-20.1 1.623,-20.1 1.623,-16.9 -5.727,-16.9
  lines w0.2: -55.777,-21.85 -53.477,-21.81 -53.477,-12.99 -55.777,-12.95 ; -53.477,-18.65 -52.352,-18.65 ; -53.477,-17.8 -52.352,-17.8 ; -53.477,-17 -52.352,-17 ; -53.477,-16.15 -52.352,-16.15 ; -52.777,-17.8 -52.777,-17 ; 1.623,-17.639 1.623,2.9 ; -55.777,-19.4 -55.377,-19.4 ; -55.777,-19.4 -55.377,-19.4 ; -55.777,-19.4 -55.377,-19.4 ; -55.777,-18.5 -55.777,-16.3 ; -55.777,-18.5 -55.777,-16.3 ; -55.777,-18.5 -55.777,-16.3 ; -55.777,-18.5 -55.377,-18.5 ; -55.777,-18.5 -55.377,-18.5 ; -55.777,-18.5 -55.377,-18.5 ; -55.777,-16.3 -55.377,-16.3 ; -55.777,-16.3 -55.377,-16.3 ; -55.777,-16.3 -55.377,-16.3 ; -55.777,-15.4 -55.377,-15.4 ; -55.777,-15.4 -55.377,-15.4 ; -55.777,-15.4 -55.377,-15.4 ; -55.377,-19.4 -55.377,-18.5 ; -55.377,-19.4 -55.377,-18.5 ; -55.377,-19.4 -55.377,-18.5 ; -55.377,-16.3 -55.377,-15.4 ; -55.377,-16.3 -55.377,-15.4 ; -55.377,-16.3 -55.377,-15.4 ; -52.352,-18.65 -52.352,-17.8 ; -52.352,-18.65 -51.677,-18.65 -51.677,-17.8 -52.352,-17.8 ; -52.352,-17 -51.677,-17 -51.677,-16.15 -52.352,-16.15 ; -52.352,-17 -52.352,-16.15 ; 0.623,-20.15 1.623,-20.15 ; 0.623,-20.15 1.623,-20.15 ; 0.623,-20.15 1.623,-20.15 ; 0.623,-20.15 0.623,-16.85 ; 0.623,-16.85 1.623,-16.85 ; 0.623,-16.85 1.623,-16.85 ; 0.623,-16.85 1.623,-16.85 ; 1.623,-20.15 1.623,-16.85 ; 1.623,-20.15 1.623,-20 ; 1.623,-20.15 1.623,-20 ; 1.623,-20.15 1.623,-20 ; 1.623,-20 2.823,-20 ; 1.623,-20 2.823,-20 ; 1.623,-20 2.823,-20 ; 1.623,-17 2.823,-17 ; 1.623,-17 1.623,-16.85 ; 1.623,-17 2.823,-17 ; 1.623,-17 2.823,-17 ; 1.623,-17 1.623,-16.85 ; 2.823,-20 2.823,-17
Drill Drawing:
  lines w0.025: 42.515,-145.578 42.516,-145.578 ; 42.515,-145.578 42.516,-145.578 ; 42.515,-145.578 42.516,-145.578 ; 42.515,-145.578 42.516,-145.578